# Altium PCB PCB.PcbDoc (part 4 of 4)
Units mil, origin at the board's own origin, x right, y up, seen from the top; angles counter-clockwise.
Board outline 6299.21 x 7637.8 mil, 2 copper layers (Top Layer, Bottom Layer); 456 components, 297 nets, 1240 pads, 557 vias.
Unrouted connection lines stored in the file: 247.
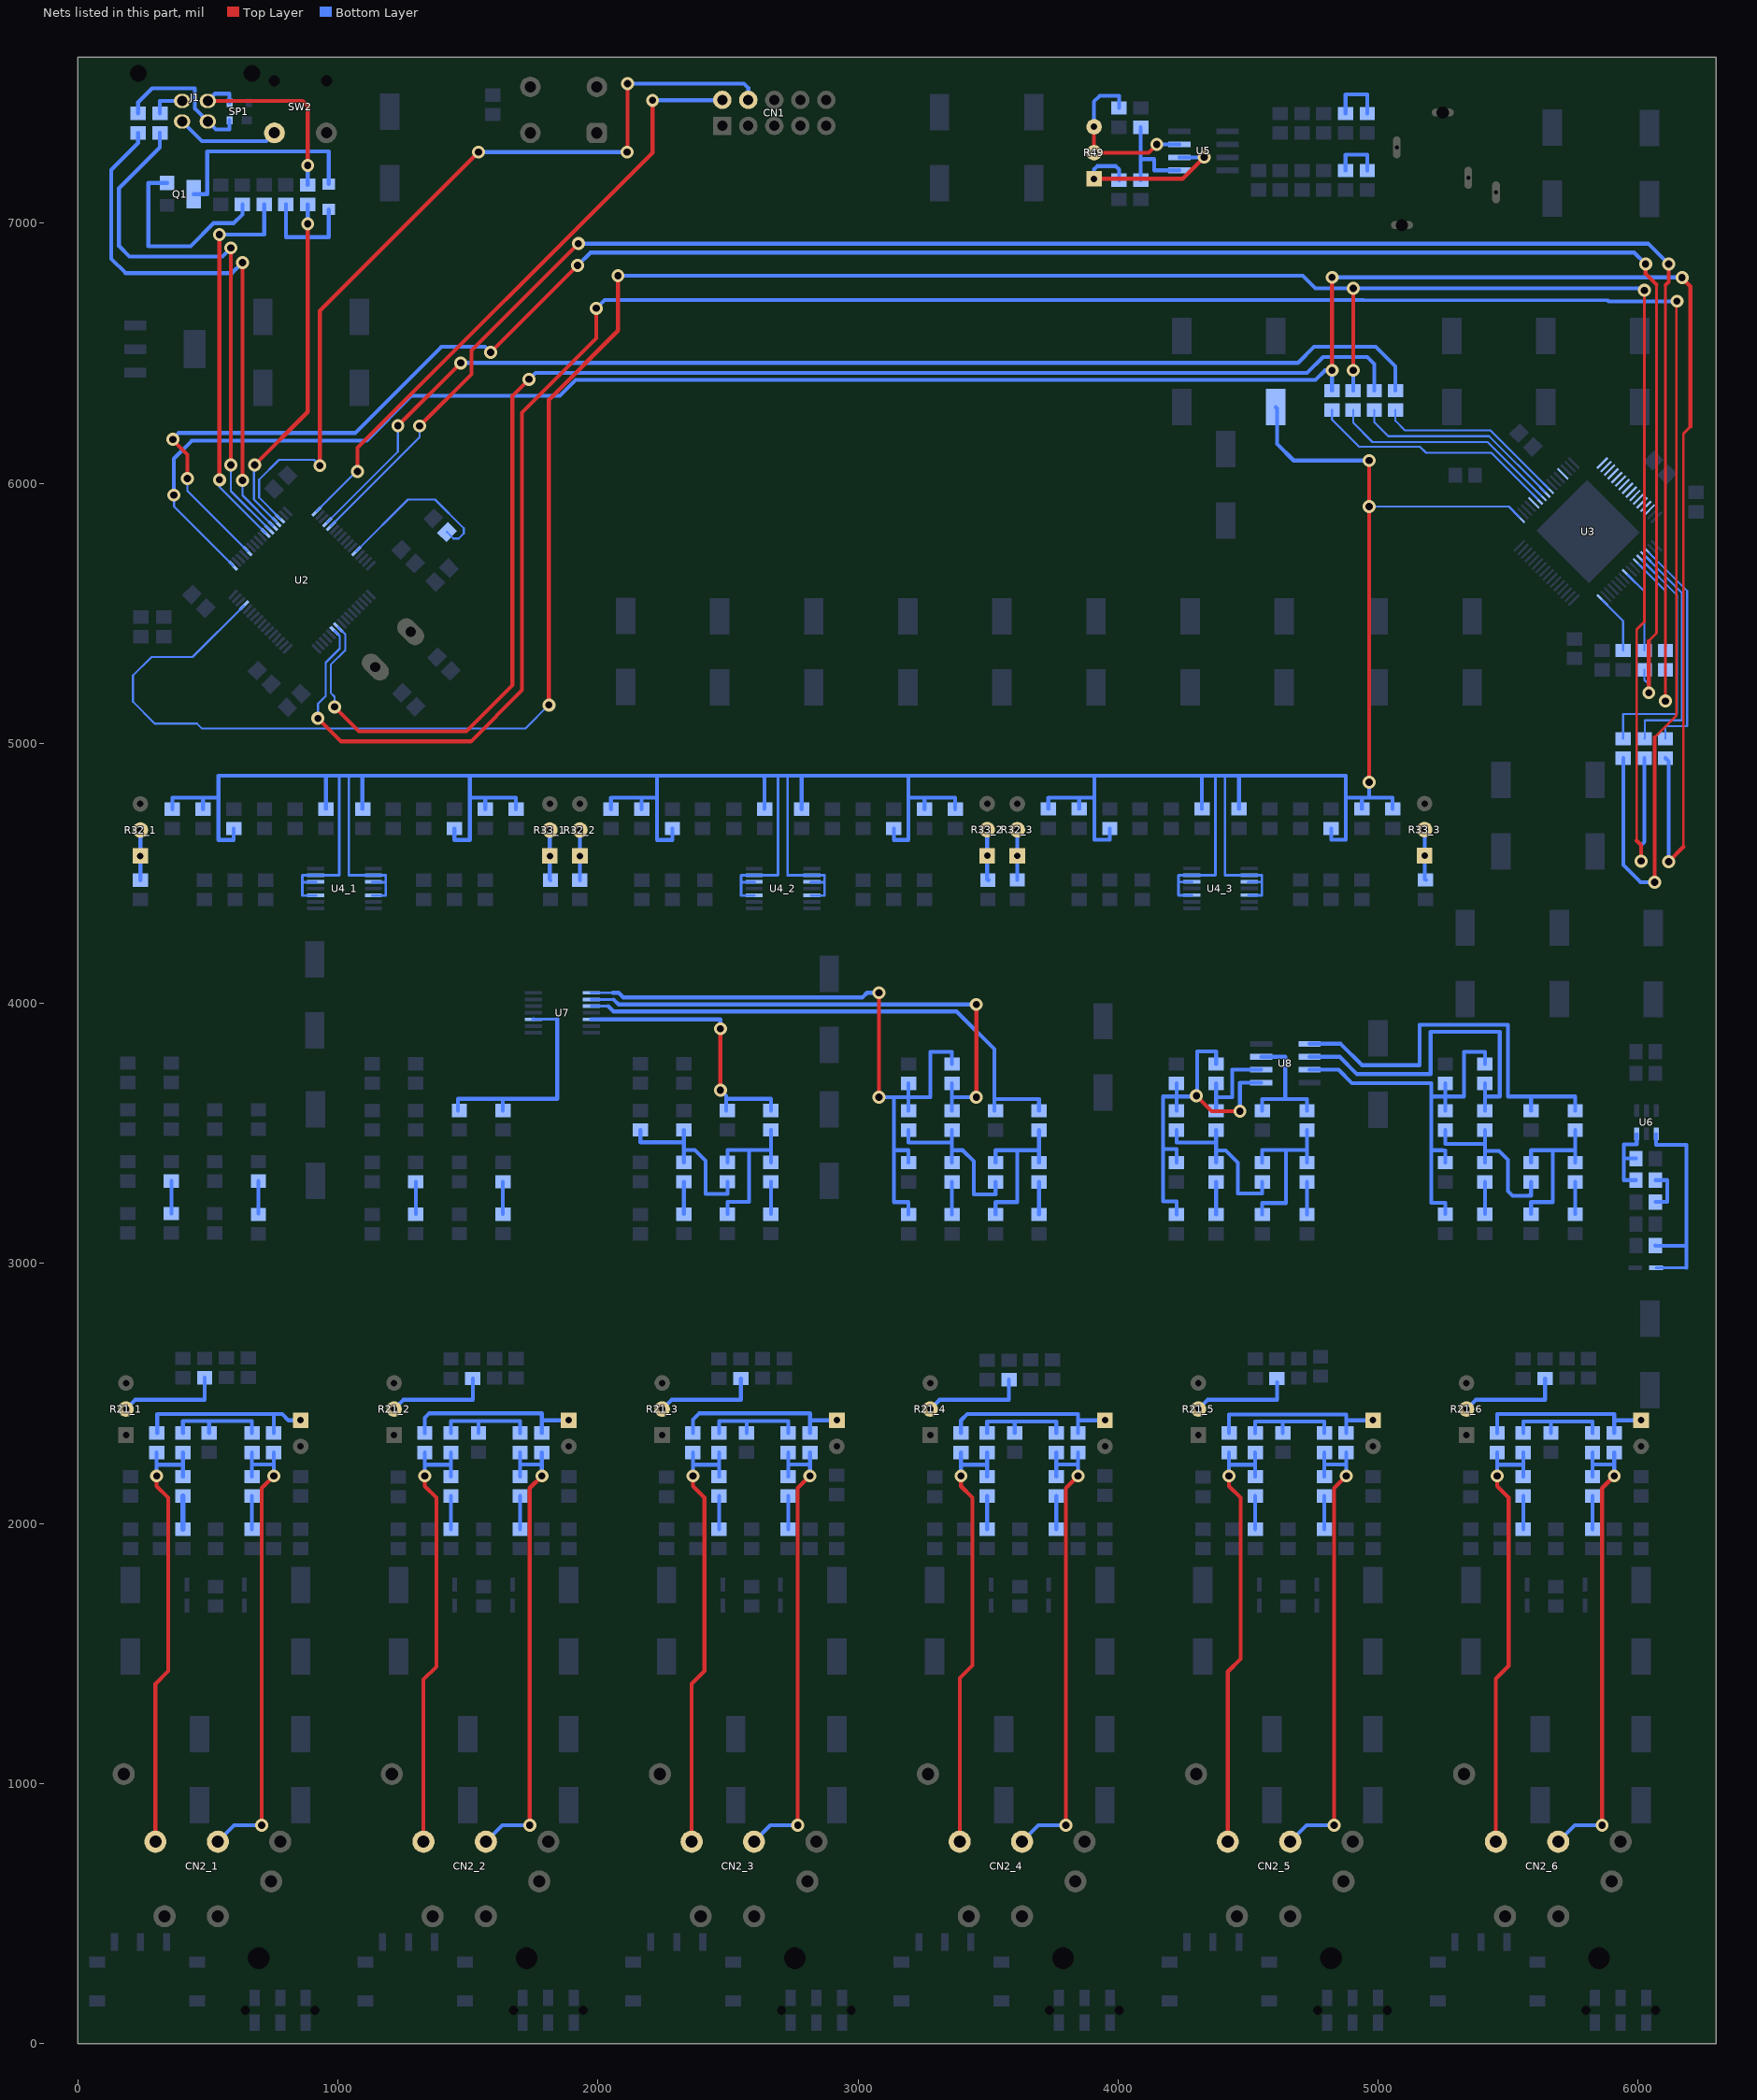
[diagram p4: the nets of this part, all layers, seen from the top]

## Via types
v1: diameter 50, hole 28, Top Layer to Bottom Layer, 553 vias
v2: diameter 55.12, hole 27.56, Top Layer to Bottom Layer, 4 vias

## Nets (pads, with @x,y where several pads share a name; then routed paths per layer and width w, separated by ;. In a path a pad name is that pad's centre, name@x,y a point inside that pad or via, vN(x,y) a via of type N, cw(c..) or ccw(c..) an arc to the next point about the centre after c; other vN are vias at no path point) (continued)
NetC77_1: C77.1 R99.2 U7.3 | length 868.7
  Bottom Layer w10: U7.3@1752.29,3939.07 1843.01,3939.07
  Bottom Layer w15: C77.1@1461.61,3588.09 1461.61,3632.87 1633.86,3632.87 ; R99.2@1633.86,3588.09 1633.86,3632.87 ; U7.3@1751.7,3938.48 U7.3@1752.29,3939.07 ; 1843.01,3939.07 1843.01,3632.87 1633.86,3632.87
NetC78_1: C78.1 R96.1 R104.2 R105.1 | length 698.4
  Bottom Layer w15: R96.1@2162.89,3513.29 2162.89,3466.04 2330.22,3466.04 ; R104.2@2330.22,3388.78 2330.22,3436.02 ; R105.1@2330.22,3513.29 2330.22,3466.04 ; C78.1@2497.54,3313.98 2497.54,3266.73 2413.88,3266.73 2413.88,3394.19 2372.05,3436.02 2330.22,3436.02 ; 2330.22,3436.02 2330.22,3466.04
NetC78_2: C78.2 R108.2 R109.1 R110.2 | length 669.3
  Bottom Layer w15: R110.2@2497.54,3189.47 2497.54,3236.71 2581.2,3236.71 2581.2,3436.02 ; C78.2@2497.54,3388.78 2497.54,3436.02 2581.2,3436.02 ; R108.2@2664.86,3388.78 2664.86,3436.02 ; R109.1@2664.86,3513.29 2664.86,3436.02 ; 2581.2,3436.02 2664.86,3436.02
NetC79_1: C79.1 R109.2 U7.12 | length 1073.4
  Top Layer w15: v1(2470.47,3666.34) v1(2470.47,3902.56)
  Bottom Layer w15: U7.12@1973.7,3938.48 2470.47,3938.48 v1(2470.47,3902.56) ; v1(2470.47,3666.34) 2492.62,3644.19 2492.62,3632.87 ; C79.1@2492.62,3588.09 2492.62,3632.87 ; R109.2@2664.86,3588.09 2664.86,3632.87 2492.62,3632.87
NetC80_1: C80.1 R111.2 R112.2 R113.1 R117.1 U7.8 | length 2741.9
  Top Layer w15: v1(3080.22,4040.85) 3080.22,3640.26 3080.71,3639.76 v1(3080.46,3639.52)
  Bottom Layer w10: U7.8@1973.7,4040.85 2057.09,4040.85
  Bottom Layer w15: 2057.09,4040.85 2078.74,4040.85 2096.46,4023.13 3016.73,4023.13 3034.45,4040.85 v1(3080.22,4040.85) ; v1(3080.46,3639.52) 3137.3,3639.52 ; R112.2@3193.9,3188.48 3193.9,3235.73 3137.3,3235.73 3137.3,3435.04 ; R113.1@3193.9,3387.8 3193.9,3435.04 3137.3,3435.04 ; R111.2@3193.9,3587.11 3193.9,3639.52 ; R117.1@3193.9,3691.93 3193.9,3639.52 ; C80.1@3361.22,3766.73 3361.22,3813.98 3277.56,3813.98 3277.56,3639.27 3277.31,3639.52 3193.9,3639.52 ; 3137.3,3435.04 3137.3,3639.52 ; 3137.3,3639.52 3193.9,3639.52
NetC80_2: C80.2 R116.2 U7.9 | length 2043.8
  Top Layer w15: v1(3454.72,3639.52) v1(3454.72,3996.06)
  Bottom Layer w10: U7.9@1973.7,4015.26 2060.04,4015.26
  Bottom Layer w15: 2060.04,4015.26 2079.23,3996.06 v1(3454.72,3996.06) ; R116.2@3361.22,3587.11 3361.22,3639.52 ; C80.2@3361.22,3691.93 3361.22,3639.52 ; v1(3454.72,3639.52) 3361.22,3639.52
NetC81_1: C81.1 R111.1 R115.2 R116.1 | length 698.4
  Bottom Layer w15: R111.1@3193.9,3512.3 3193.9,3465.06 3361.22,3465.06 ; R115.2@3361.22,3387.8 3361.22,3435.04 ; R116.1@3361.22,3512.3 3361.22,3465.06 ; C81.1@3528.54,3312.99 3528.54,3265.75 3444.88,3265.75 3444.88,3393.21 3403.05,3435.04 3361.22,3435.04 ; 3361.22,3435.04 3361.22,3465.06
NetC81_2: C81.2 R119.2 R120.1 R121.2 | length 669.3
  Bottom Layer w15: R121.2@3528.54,3188.48 3528.54,3235.73 3612.2,3235.73 3612.2,3435.04 ; C81.2@3528.54,3387.8 3528.54,3435.04 3612.2,3435.04 ; R119.2@3695.87,3387.8 3695.87,3435.04 ; R120.1@3695.87,3512.3 3695.87,3435.04 ; 3612.2,3435.04 3695.87,3435.04
NetC82_1: C82.1 R120.2 U7.10 | length 2072.4
  Bottom Layer w10: U7.10@1973.7,3989.67 2038.88,3989.67
  Bottom Layer w15: 2038.88,3989.67 2059.55,3969 3378.44,3969 3523.62,3823.82 3523.62,3631.89 ; C82.1@3523.62,3587.11 3523.62,3631.89 ; R120.2@3695.87,3587.11 3695.87,3631.89 3523.62,3631.89
NetC83_1: C83.1 R122.2 R123.2 R124.1 R128.1 U8.1 | length 1517.3
  Top Layer w15: v1(4301.18,3644.19) 4360.24,3585.14 v1(4468.5,3585.14)
  Bottom Layer w15: R123.2@4224.76,3188.48 4224.76,3238.19 4173.23,3238.19 4173.23,3439.96 ; R124.1@4224.76,3387.8 4224.76,3439.57 4214.41,3439.57 4214.01,3439.96 4173.23,3439.96 ; R122.2@4224.76,3587.11 4224.76,3641.73 ; R128.1@4224.76,3691.93 4224.76,3641.73 ; v1@4301.18,3641.73 4224.76,3641.73 ; v1@4303.64,3644.19 4303.64,3815.45 4376.91,3815.45 C83.1@4376.91,3766.73 ; v1(4468.5,3585.14) 4468.5,3694.68 U8.1@4550.21,3694.68 ; 4173.23,3439.96 4173.23,3641.73 4224.76,3641.73
NetC83_2: C83.2 R127.2 U8.2 | length 383.3
  Bottom Layer w15: R127.2@4376.91,3587.11 4376.91,3639.52 ; C83.2@4376.91,3691.93 4376.91,3639.52 ; U8.2@4550.21,3744.68 4438.98,3744.68 4438.98,3639.52 4376.91,3639.52
NetC84_1: C84.1 R122.1 R126.2 R127.1 | length 682.8
  Bottom Layer w15: R122.1@4224.76,3512.3 4224.76,3464.57 4376.91,3464.57 ; R126.2@4376.91,3387.8 4376.91,3434.05 ; R127.1@4376.91,3512.3 4376.91,3464.57 ; C84.1@4554.07,3312.99 4554.07,3269.19 4460.57,3269.19 4460.57,3387.3 4413.82,3434.05 4376.91,3434.05 ; 4376.91,3434.05 4376.91,3464.57
NetC84_2: C84.2 R130.2 R131.1 R132.2 | length 684.5
  Bottom Layer w15: R132.2@4554.07,3188.48 4554.07,3232.28 4645.12,3232.28 4645.12,3436.52 ; C84.2@4554.07,3387.8 4554.07,3436.52 4645.12,3436.52 ; R130.2@4726.32,3387.8 4726.32,3436.52 ; R131.1@4726.32,3512.3 4726.32,3436.52 ; 4645.12,3436.52 4726.32,3436.52
NetC85_1: C85.1 R131.2 U8.3 | length 517.1
  Bottom Layer w15: U8.3@4550.21,3794.68 4642.66,3794.68 4642.66,3631.89 ; C85.1@4554.07,3587.11 4554.07,3631.89 4642.66,3631.89 ; R131.2@4726.32,3587.11 4726.32,3631.89 4642.66,3631.89
NetC86_1: C86.1 R133.2 R134.2 R135.1 R139.1 U8.7 | length 1679.5
  Bottom Layer w15: U8.7@4736.21,3744.68 4847.83,3744.68 4899.11,3693.41 5204.23,3693.41 5204.23,3641.73 ; R134.2@5258.37,3189.47 5258.37,3233.27 5204.23,3233.27 5204.23,3435.04 ; R135.1@5258.37,3387.8 5258.37,3434.65 5248.01,3434.65 5247.62,3435.04 5204.23,3435.04 ; R133.2@5258.37,3587.11 5258.37,3641.73 ; R139.1@5258.37,3691.93 5258.37,3641.73 ; C86.1@5410.93,3766.73 5410.93,3813.98 5329.72,3813.98 5329.72,3641.73 5258.37,3641.73 ; 5204.23,3435.04 5204.23,3641.73 ; 5204.23,3641.73 5258.37,3641.73
NetC86_2: C86.2 R138.2 U8.6 | length 1331.3
  Bottom Layer w15: U8.6@4736.21,3794.68 4851.97,3794.68 4918.8,3727.85 5201.77,3727.85 5201.77,3890.26 5467.52,3890.26 5467.52,3641.73 5410.93,3641.73 ; R138.2@5410.93,3587.11 5410.93,3641.73 ; C86.2@5410.93,3691.93 5410.93,3641.73
NetC87_1: C87.1 R133.1 R137.2 R138.1 | length 701.3
  Bottom Layer w15: R133.1@5258.37,3512.3 5258.37,3459.65 5410.93,3459.65 ; R137.2@5410.93,3387.8 5410.93,3432.58 ; R138.1@5410.93,3512.3 5410.93,3459.65 ; C87.1@5588.09,3312.99 5588.09,3260.73 5577.74,3260.73 5577.34,3260.33 5516.73,3260.33 5499.51,3277.56 5499.51,3398.13 5465.06,3432.58 5410.93,3432.58 ; 5410.93,3432.58 5410.93,3459.65
NetC87_2: C87.2 R141.2 R142.1 R143.2 | length 670.8
  Bottom Layer w15: R143.2@5588.09,3189.47 5588.09,3235.73 5671.75,3235.73 5671.75,3435.04 ; C87.2@5588.09,3387.8 5588.09,3435.04 5671.75,3435.04 ; R141.2@5757.87,3387.8 5757.87,3435.04 ; R142.1@5757.87,3512.3 5757.87,3435.04 ; 5671.75,3435.04 5757.87,3435.04
NetC88_1: C88.1 R142.2 U8.5 | length 1595.7
  Bottom Layer w15: U8.5@4736.21,3844.68 4856.1,3844.68 4938.48,3762.3 5159.94,3762.3 5159.94,3917.32 5499.51,3917.32 5499.51,3641.73 5588.09,3641.73 ; C88.1@5588.09,3587.11 5588.09,3641.73 ; R142.2@5757.87,3587.11 5757.87,3641.73 5588.09,3641.73
NetC89_1_1: C89_1.1 C90_1.1 CN2_1.2 R145_1.2 | length 1728.8
  Top Layer w15: CN2_1.2@297.8,776.28 297.8,1382.93 346.95,1432.09 346.95,2098.92 302.66,2143.21 v1(302.66,2182.58)
  Bottom Layer w15: v1(302.66,2182.58) 302.66,2226.07 ; R145_1.2@302.66,2272.83 302.66,2226.07 ; v1@305.12,2182.58 v1@305.11,2182.72 ; C89_1.1@403.54,2180.31 403.54,2226.07 ; C90_1.1@403.54,2272.83 403.54,2226.07 ; 302.66,2226.07 403.54,2226.07
NetC89_1_2: C89_1.2 R144_1.2 | length 127.5
  Bottom Layer w20: R144_1.2@403.54,1978.04 C89_1.2@403.54,2105.5
NetC89_2_1: C89_2.1 C90_2.1 CN2_2.2 R145_2.2 | length 1728.4
  Top Layer w15: CN2_2.2@1328.8,776.28 1328.8,1400.16 1377.95,1449.31 1377.95,2098.92 1333.66,2143.21 v1(1333.66,2182.58)
  Bottom Layer w15: v1(1333.66,2182.58) 1333.66,2226.07 ; R145_2.2@1333.66,2272.83 1333.66,2226.07 ; C89_2.1@1434.25,2180.31 1434.25,2226.07 ; C90_2.1@1434.25,2272.83 1434.25,2226.07 ; 1333.66,2226.07 1434.25,2226.07
NetC89_2_2: C89_2.2 R144_2.2 | length 127.5
  Bottom Layer w15: R144_2.2@1434.25,1978.04 C89_2.2@1434.25,2105.5
NetC89_3_1: C89_3.1 C90_3.1 CN2_3.2 R145_3.2 | length 1728.4
  Top Layer w15: CN2_3.2@2359.8,776.28 2359.8,1382.93 2408.96,1432.09 2408.96,2098.92 2364.67,2143.21 v1(2364.67,2182.58)
  Bottom Layer w15: v1(2364.67,2182.58) 2364.67,2226.07 ; R145_3.2@2364.67,2272.83 2364.67,2226.07 ; C89_3.1@2465.26,2180.31 2465.26,2226.07 ; C90_3.1@2465.26,2272.83 2465.26,2226.07 ; 2364.67,2226.07 2465.26,2226.07
NetC89_3_2: C89_3.2 R144_3.2 | length 127.5
  Bottom Layer w15: R144_3.2@2465.26,1978.04 C89_3.2@2465.26,2105.5
NetC89_4_1: C89_4.1 C90_4.1 CN2_4.2 R145_4.2 | length 1728.4
  Top Layer w15: CN2_4.2@3390.81,776.28 3390.81,1405.08 3439.96,1454.23 3439.96,2098.92 3395.67,2143.21 v1(3395.67,2182.58)
  Bottom Layer w15: v1(3395.67,2182.58) 3395.67,2226.07 ; R145_4.2@3395.67,2272.83 3395.67,2226.07 ; C89_4.1@3496.26,2180.31 3496.26,2226.07 ; C90_4.1@3496.26,2272.83 3496.26,2226.07 ; 3395.67,2226.07 3496.26,2226.07
NetC89_4_2: C89_4.2 R144_4.2 | length 127.5
  Bottom Layer w15: R144_4.2@3496.26,1978.04 C89_4.2@3496.26,2105.5
NetC89_5_1: C89_5.1 C90_5.1 CN2_5.2 R145_5.2 | length 1728.4
  Top Layer w15: CN2_5.2@4421.81,776.28 4421.81,1429.68 4470.96,1478.84 4470.96,2098.92 4426.67,2143.21 v1(4426.67,2182.58)
  Bottom Layer w15: v1(4426.67,2182.58) 4426.67,2226.07 ; R145_5.2@4426.67,2272.83 4426.67,2226.07 ; C89_5.1@4527.26,2180.31 4527.26,2226.07 ; C90_5.1@4527.26,2272.83 4527.26,2226.07 ; 4426.67,2226.07 4527.26,2226.07
NetC89_5_2: C89_5.2 R144_5.2 | length 127.5
  Bottom Layer w15: R144_5.2@4527.26,1978.04 C89_5.2@4527.26,2105.5
NetC89_6_1: C89_6.1 C90_6.1 CN2_6.2 R145_6.2 | length 1731.8
  Top Layer w15: CN2_6.2@5452.81,776.28 5452.81,1402.62 5501.97,1451.77 5501.97,2098.92 5457.68,2143.21 v1(5457.68,2182.58) v1@5460.14,2180.12
  Bottom Layer w15: v1(5457.68,2182.58) 5457.68,2226.07 ; R145_6.2@5457.68,2272.83 5457.68,2226.07 ; C89_6.1@5558.27,2180.31 5558.27,2226.07 ; C90_6.1@5558.27,2272.83 5558.27,2226.07 ; 5457.68,2226.07 5558.27,2226.07
NetC89_6_2: C89_6.2 R144_6.2 | length 127.5
  Bottom Layer w15: R144_6.2@5558.27,1978.04 C89_6.2@5558.27,2105.5
NetC90_1_2: C90_1.2 C91_1.1 C92_1.1 | length 405.1
  Bottom Layer w15: C90_1.2@403.54,2347.63 403.54,2394.19 504.43,2394.19 ; C91_1.1@504.43,2347.93 504.43,2394.19 ; C92_1.1@669.29,2347.63 669.29,2394.19 504.43,2394.19
NetC90_2_2: C90_2.2 C91_2.1 C92_2.1 | length 405.4
  Bottom Layer w15: C90_2.2@1434.25,2347.63 1434.25,2394.19 1540.35,2394.19 ; C91_2.1@1540.35,2347.93 1540.35,2394.19 ; C92_2.1@1700.3,2347.63 1700.3,2394.19 1540.35,2394.19
NetC90_3_2: C90_3.2 C91_3.1 C92_3.1 | length 405.4
  Bottom Layer w15: C90_3.2@2465.26,2347.63 2465.26,2394.19 2571.36,2394.19 ; C91_3.1@2571.36,2347.93 2571.36,2394.19 ; C92_3.1@2731.3,2347.63 2731.3,2394.19 2571.36,2394.19
NetC90_4_2: C90_4.2 C91_4.1 C92_4.1 | length 398
  Bottom Layer w15: C90_4.2@3496.26,2347.63 3496.26,2391.73 3602.36,2391.73 ; C91_4.1@3602.36,2347.93 3602.36,2391.73 ; C92_4.1@3762.3,2347.63 3762.3,2391.73 3602.36,2391.73
NetC90_5_2: C90_5.2 C91_5.1 C92_5.1 | length 397.9
  Bottom Layer w15: C90_5.2@4527.26,2347.63 4527.26,2391.44 4527.56,2391.73 4633.37,2391.73 ; C91_5.1@4633.37,2347.93 4633.37,2391.73 ; C92_5.1@4793.31,2347.63 4793.31,2391.73 4633.37,2391.73
NetC90_6_2: C90_6.2 C91_6.1 C92_6.1 | length 398
  Bottom Layer w15: C90_6.2@5558.27,2347.63 5558.27,2391.73 5664.37,2391.73 ; C91_6.1@5664.37,2347.93 5664.37,2391.73 ; C92_6.1@5824.31,2347.63 5824.31,2391.73 5664.37,2391.73
NetC92_1_2: C92_1.2 C93_1.1 CN2_1.3 R146_1.1 | length 1826.2
  Top Layer w15: v1(706.2,839.07) 706.2,2135.83 v1(752.95,2182.58)
  Bottom Layer w15: CN2_1.3@537.8,776.28 600.59,839.07 v1(706.2,839.07) ; C93_1.1@669.29,2180.31 669.29,2226.57 ; C92_1.2@669.29,2272.83 669.29,2226.57 ; v1@752.95,2180.12 v1(752.95,2182.58) 752.95,2226.57 ; R146_1.1@752.95,2272.83 752.95,2226.57 ; 669.29,2226.57 752.95,2226.57
NetC92_2_2: C92_2.2 C93_2.1 CN2_2.3 R146_2.1 | length 1826.2
  Top Layer w15: v1(1737.2,839.07) 1737.2,2135.83 v1(1783.96,2182.58)
  Bottom Layer w15: CN2_2.3@1568.8,776.28 1631.59,839.07 v1(1737.2,839.07) ; C93_2.1@1700.3,2180.31 1700.3,2226.57 ; C92_2.2@1700.3,2272.83 1700.3,2226.57 ; v1@1783.96,2180.12 v1(1783.96,2182.58) 1783.96,2226.57 ; R146_2.1@1783.96,2272.83 1783.96,2226.57 ; 1700.3,2226.57 1783.96,2226.57
NetC92_3_2: C92_3.2 C93_3.1 CN2_3.3 R146_3.1 | length 1826.2
  Top Layer w15: v1(2768.21,839.07) 2768.21,2135.83 v1(2814.96,2182.58)
  Bottom Layer w15: CN2_3.3@2599.8,776.28 2662.59,839.07 v1(2768.21,839.07) ; C93_3.1@2731.3,2180.31 2731.3,2226.57 ; C92_3.2@2731.3,2272.83 2731.3,2226.57 ; v1@2814.96,2180.12 v1(2814.96,2182.58) 2814.96,2226.57 ; R146_3.1@2814.96,2272.83 2814.96,2226.57 ; 2731.3,2226.57 2814.96,2226.57
NetC92_4_2: C92_4.2 C93_4.1 CN2_4.3 R146_4.1 | length 1826.2
  Top Layer w15: v1(3799.21,839.07) 3799.21,2135.83 v1(3845.96,2182.58)
  Bottom Layer w15: CN2_4.3@3630.81,776.28 3693.6,839.07 v1(3799.21,839.07) ; C93_4.1@3762.3,2180.31 3762.3,2226.57 ; C92_4.2@3762.3,2272.83 3762.3,2226.57 ; v1@3845.96,2180.12 v1(3845.96,2182.58) 3845.96,2226.57 ; R146_4.1@3845.96,2272.83 3845.96,2226.57 ; 3762.3,2226.57 3845.96,2226.57
NetC92_5_2: C92_5.2 C93_5.1 CN2_5.3 R146_5.1 | length 1826.2
  Top Layer w15: v1(4830.22,839.07) 4830.22,2135.83 v1(4876.97,2182.58)
  Bottom Layer w15: CN2_5.3@4661.81,776.28 4724.6,839.07 v1(4830.22,839.07) ; C93_5.1@4793.31,2180.31 4793.31,2226.57 ; C92_5.2@4793.31,2272.83 4793.31,2226.57 ; v1@4876.97,2180.12 v1(4876.97,2182.58) 4876.97,2226.57 ; R146_5.1@4876.97,2272.83 4876.97,2226.57 ; 4793.31,2226.57 4876.97,2226.57
NetC92_6_2: C92_6.2 C93_6.1 CN2_6.3 R146_6.1 | length 1826.2
  Top Layer w15: v1(5861.22,839.07) 5861.22,2135.83 v1(5907.97,2182.58)
  Bottom Layer w15: CN2_6.3@5692.81,776.28 5755.61,839.07 v1(5861.22,839.07) ; C93_6.1@5824.31,2180.31 5824.31,2226.57 ; C92_6.2@5824.31,2272.83 5824.31,2226.57 ; v1@5907.97,2180.12 v1(5907.97,2182.58) 5907.97,2226.57 ; R146_6.1@5907.97,2272.83 5907.97,2226.57 ; 5824.31,2226.57 5907.97,2226.57
NetC93_1_2: C93_1.2 R147_1.2 | length 127.5
  Bottom Layer w15: R147_1.2@669.29,1978.04 C93_1.2@669.29,2105.5
NetC93_2_2: C93_2.2 R147_2.2 | length 127.5
  Bottom Layer w15: R147_2.2@1700.3,1978.04 C93_2.2@1700.3,2105.5
NetC93_3_2: C93_3.2 R147_3.2 | length 127.5
  Bottom Layer w15: R147_3.2@2731.3,1978.04 C93_3.2@2731.3,2105.5
NetC93_4_2: C93_4.2 R147_4.2 | length 127.5
  Bottom Layer w15: R147_4.2@3762.3,1978.04 C93_4.2@3762.3,2105.5
NetC93_5_2: C93_5.2 R147_5.2 | length 127.5
  Bottom Layer w15: R147_5.2@4793.31,1978.04 C93_5.2@4793.31,2105.5
NetC93_6_2: C93_6.2 R147_6.2 | length 127.5
  Bottom Layer w15: R147_6.2@5824.31,1978.04 C93_6.2@5824.31,2105.5
NetCN1_2: CN1.2 U2.49 | length 2390.2
  Top Layer w15: v1(1075.3,6045.77) 1075.3,6136.81 2209.65,7271.16 v1(2209.65,7472.93)
  Bottom Layer w8: U2.49@916.98,5891.93 1073.28,6048.23 1075.3,6046.21 v1(1075.3,6045.77)
  Bottom Layer w15: v1(2209.65,7472.93) 2476.28,7472.93 CN1.2@2477.85,7474.51
NetCN1_4: CN1.4 U2.46 | length 3268.6
  Top Layer w15: v1(930.12,6067.91) 930.12,6663.39 v1(1540.35,7273.62) ; v1(2111.22,7273.62) 2113.68,7276.08 v1(2113.68,7536.91)
  Bottom Layer w8: U2.46@777.79,5864.09 696.36,5945.52 696.36,6013.78 772.64,6090.06 907.97,6090.06 v1(930.12,6067.91)
  Bottom Layer w15: v1(1540.35,7273.62) v1(2111.22,7273.62) ; v1(2113.68,7536.91) 2561.52,7536.91 2577.85,7520.57 CN1.4@2577.85,7474.51
NetD1_1: D1.1 Q1.3 | length 810
  Bottom Layer w15: Q1.3@444.89,7112.02 497.05,7112.02 497.05,7276.88 964.57,7276.88 D1.1@964.57,7151.39
NetD1_2: D1.2 R2.1 | length 398.1
  Bottom Layer w15: R2.1@799.6,7072.84 799.6,6946.36 964.57,6946.36 D1.2@964.57,7052.96
NetD2_2: D2.2 L1.2 U6.1 | length 869.3
  Bottom Layer w10: D2.2@6069.27,2982.86 6186.02,2982.86
  Bottom Layer w15: L1.2@6065.95,3068.41 6066.61,3067.74 6185.35,3067.74 6186.02,3068.41 ; U6.1@6068.9,3497.6 6068.9,3455.71 6186.02,3455.71 6186.02,3068.41 ; 6186.02,2982.86 6186.02,3068.41
NetJ1_1: J1.1 SW2.1 | length 399
  Bottom Layer w15: J1.1@400.59,7391.64 475.98,7316.25 724.11,7316.25 SW2.1@755.41,7347.55
NetJ1_2: J1.2 R5.1 SP1.2 | length 563.8
  Bottom Layer w15: R5.1@231.3,7422.55 231.3,7465.55 285.13,7519.38 449.59,7519.38 449.59,7441.07 J1.2@499.02,7391.64 530.12,7360.54 582.68,7360.54 SP1.2@582.68,7395.97
NetJ1_3: J1.3 R6.1 SP1.3 | length 827
  Top Layer w15: J1.3@499.02,7470.38 863.77,7470.38 883.37,7450.78 v1(883.37,7222.75)
  Bottom Layer w15: J1.3@499.02,7470.38 526.97,7498.33 582.68,7498.33 SP1.3@582.68,7462.9 ; R6.1@883.37,7146.96 v1(883.37,7222.75)
NetJ1_4: J1.4 R7.1 | length 133.5
  Bottom Layer w15: R7.1@314.96,7422.55 314.96,7470.38 J1.4@400.59,7470.38
NetQ1_1: Q1.1 R3.1 | length 765.5
  Bottom Layer w15: Q1.1@342.52,7155.33 270.67,7155.33 270.67,6911.91 433.07,6911.91 521.65,7000.49 598.57,7000.49 632.38,7034.3 R3.1@632.38,7072.15
NetR1_2: R1.2 U2.60 | length 644.7
  Bottom Layer w8: U2.60@1070.09,5738.82 1268.78,5937.5 1373.03,5937.5 1483.76,5826.77 1483.76,5807.09 1464.07,5787.4 1444.39,5787.4 R1.2@1419.16,5812.63
NetR4_2: R4.2 U2.42 | length 1510.5
  Top Layer w15: v1(543.8,6957) 544.07,6956.73 v1(544.07,6013.78)
  Bottom Layer w8: v1(544.07,6013.78) 544.07,5986.45 U2.42@722.11,5808.41
  Bottom Layer w15: v1(543.8,6957) 716.04,6957 R4.2@716.05,7072.84
NetR5_2: R5.2 U2.44 | length 2132.1
  Top Layer w15: v1(632.38,6011.32) v1(632.38,6848.73)
  Bottom Layer w8: v1(632.38,6011.32) 632.38,5953.82 U2.44@749.95,5836.25
  Bottom Layer w15: R5.2@231.3,7347.74 231.3,7308.87 127.95,7205.52 127.95,6863.49 182.88,6808.56 592.22,6808.56 v1(632.38,6848.73)
NetR6_2: R6.2 U2.45 | length 1375.3
  Top Layer w15: v1(679.13,6070.37) 883.37,6274.61 v1(883.37,6998.03)
  Bottom Layer w8: v1(679.13,6070.37) 701.46,6070.37 676.67,6045.59 676.67,5937.36 U2.45@763.87,5850.17
  Bottom Layer w15: v1(883.37,6998.03) R6.2@883.37,7072.15
NetR7_2: R7.2 U2.43 | length 2105.4
  Top Layer w15: v1(588.09,6070.37) v1(588.09,6905.32)
  Bottom Layer w8: v1(588.09,6070.37) 588.09,5970.27 U2.43@736.03,5822.33
  Bottom Layer w15: R7.2@314.96,7347.74 314.96,7291.64 157.48,7134.16 157.48,6912.7 197.65,6872.54 555.31,6872.54 v1(588.09,6905.32)
NetR11_2: R11.2 U3.48 | length 226.7
  Bottom Layer w8: U3.48@5862.07,5550.7 5942.42,5470.34 R11.2@5942.42,5357.28
NetR12_1: R12.1 U3.35 | length 857.8
  Bottom Layer w8: U3.35@6043.02,5731.65 6188.48,5586.18 6188.48,5066.44 6104.82,5066.44 R12.1@6104.82,5017.72
NetR12_2: R12.2 R13.1 U2.33 | length 9577.5
  Top Layer w10: 6173.72,4601.38 6173.72,6190.94 6200.79,6218.01
  Top Layer w15: v1(4822.83,6434.55) v1(4822.83,6792.01) ; v1(6117.13,4544.78) 6173.72,4601.38 ; v1@6168.8,6788.88 6200.79,6756.89 6200.79,6218.01
  Bottom Layer w8: v1(369.09,5954.72) 369.09,5910.88 U2.33@596.83,5683.14
  Bottom Layer w15: v1(369.09,5954.72) 369.09,6094.98 437.99,6163.88 1109.74,6163.88 1281.99,6336.12 1852.85,6336.12 1914.37,6397.64 4758.86,6397.64 4795.77,6434.55 v1(4822.83,6434.55) R13.1@4822.83,6356.3 ; v1(4822.83,6792.01) v1@6168.8,6792.01 ; R12.2@6104.82,4942.91 6117.13,4930.61 v1(6117.13,4544.78)
  other v1: 6168.8,6791.34
NetR13_2: R13.2 U3.6 | length 953.3
  Bottom Layer w8: R13.2@4822.83,6281.5 4822.83,6245.08 4926.96,6140.96 5160.72,6140.96 5184.55,6117.13 5434.83,6117.13 U3.6@5612.91,5939.05
NetR14_1: R14.1 U3.36 | length 901.6
  Bottom Layer w8: R14.1@6023.62,5017.72 6026.08,5020.18 6026.08,5088.58 6168.8,5088.58 6168.8,5578.03 U3.36@6029.1,5717.73
NetR14_2: R14.2 R15.1 U2.29 | length 11055.9
  Top Layer w10: 5994.09,4625.98 5994.09,5437.99 6023.62,5467.52 v1(6023.62,6742.13)
  Top Layer w15: v1(1811.02,5147.64) 1811.02,6321.36 2076.77,6587.11 v1(2076.77,6798.72) ; v1(4904.04,6434.55) v1(4904.04,6749.51) ; 5994.09,4625.98 6011.32,4608.76 v1(6011.32,4547.24)
  Bottom Layer w8: U2.29@638.59,5530.02 440.75,5332.19 282.97,5332.19 211.61,5260.83 211.61,5159.94 295.28,5076.28 457.68,5076.28 477.36,5056.59 1719.98,5056.59 v1(1811.02,5147.64)
  Bottom Layer w15: v1(2076.77,6798.72) 4709.65,6798.72 4758.86,6749.51 v1(4904.04,6749.51) v1@6023.62,6749.51 ; R15.1@4904.04,6356.3 v1(4904.04,6434.55) ; v1(6011.32,4547.24) 6011.32,4608.76 6023.62,4621.06 R14.2@6023.62,4942.91
NetR15_2: R15.2 U3.7 | length 887.4
  Bottom Layer w8: R15.2@4904.04,6281.5 4904.04,6232.78 4977.85,6158.96 5420.84,6158.96 U3.7@5626.83,5952.97
NetR16_1: R16.1 U3.41 | length 317.4
  Bottom Layer w8: U3.41@5959.5,5648.13 6023.62,5584.01 R16.1@6023.62,5357.28
NetR16_2: R16.2 U2.37 | length 8323.4
  Top Layer w10: 6040.29,5393.14 6070.37,5423.23 6070.37,6764.27
  Top Layer w15: v1(365.14,6168.8) 365.14,6165.37 420.77,6109.74 v1(420.77,6018.7) ; v1(1587.11,6503.44) v1(1921.75,6838.09) ; v1(6028.54,6843.01) 6028.54,6806.1 6070.37,6764.27 ; v1@6040.29,5203.67 v1@6040.85,5204.23 ; 6040.29,5393.14 6040.85,5392.58 v1@6040.85,5204.23 ; v1(6040.85,5194.39) v1@6040.85,5204.23
  Bottom Layer w8: v1(420.77,6018.7) 420.77,5970.56 U2.37@652.51,5738.82 ; R16.2@6023.62,5282.48 6023.62,5243.6 6040.85,5226.38 v1(6040.85,5194.39)
  Bottom Layer w15: v1(365.14,6168.8) 365.14,6172.23 386.32,6193.41 1065.45,6193.41 1397.64,6525.59 1564.96,6525.59 v1(1587.11,6503.44) ; v1(1921.75,6838.09) 1970.96,6887.3 5984.25,6887.3 v1(6028.54,6843.01)
NetR17_1: R17.1 U2.10 | length 5746.5
  Top Layer w15: v1(986.71,5140.26) 1080.22,5046.75 1493.6,5046.75 1670.77,5223.92 1670.77,6336.12 v1(1734.74,6400.1)
  Bottom Layer w8: v1(986.71,5140.26) 986.71,5179.63 971.95,5194.39 971.95,5302.66 1028.54,5359.25 1028.54,5418.46 U2.10@1000.5,5446.51
  Bottom Layer w15: v1(1734.74,6400.1) 1759.35,6424.7 4726.87,6424.7 4788.39,6486.22 4958.17,6486.22 4985.24,6459.15 R17.1@4985.24,6356.3
NetR17_2: R17.2 U3.8 | length 812.9
  Bottom Layer w8: R17.2@4985.24,6281.5 4985.24,6235.24 5039.37,6181.1 5426.53,6181.1 U3.8@5640.75,5966.89
NetR18_1: R18.1 U3.37 | length 948.3
  Bottom Layer w8: R18.1@5942.42,5017.72 5942.42,5113.19 6149.11,5113.19 6149.11,5569.88 U3.37@6015.18,5703.81
NetR18_2: R18.2 U2.11 | length 9868.4
  Top Layer w10: 6062.99,5022.64 6147.32,5106.97 v1@6147.32,6700.3
  Top Layer w15: v1(922.74,5095.96) 1011.32,5007.38 1510.83,5007.38 1707.68,5204.23 1707.68,6272.15 1993.11,6557.58 v1(1993.11,6673.23) ; v1(6062.99,4466.04) 6062.99,5022.64
  Bottom Layer w8: v1(922.74,5095.96) 922.74,5152.56 952.26,5182.09 952.26,5310.04 1006.4,5364.17 1006.4,5412.77 U2.11@986.58,5432.59
  Bottom Layer w15: v1(1993.11,6673.23) 2025.1,6705.22 4160.93,6705.22 4943.41,6705.22 5883.37,6702.76 5886.5,6699.63 6148.44,6699.63 v1(6149.11,6700.3) ; R18.2@5942.42,4942.91 5942.42,4532.48 6008.86,4466.04 v1(6062.99,4466.04)
NetR19_1: R19.1 U2.52 | length 4570.7
  Top Layer w15: v1(1230.32,6221.8) v1(1471.46,6462.94)
  Bottom Layer w8: U2.52@958.74,5850.17 1230.32,6121.75 v1(1230.32,6221.8)
  Bottom Layer w15: v1(1471.46,6462.94) 4691.29,6462.94 4753.94,6525.59 4990.16,6525.59 5066.44,6449.31 R19.1@5066.44,6356.3
NetR19_2: R19.2 U3.9 | length 737
  Bottom Layer w8: R19.2@5066.44,6281.5 5066.44,6240.16 5103.35,6203.25 5432.23,6203.25 U3.9@5654.67,5980.81
NetR20_1: R20.1 U3.38 | length 375.5
  Bottom Layer w8: U3.38@6001.26,5689.89 6104.82,5586.33 R20.1@6104.82,5357.28
NetR20_2: R20.2 U2.53 | length 7508.5
  Top Layer w10: v1(6104.82,5162.4) 6104.82,6761.81
  Top Layer w15: v1(1313.98,6220.47) 1513.29,6419.78 1513.29,6510.83 v1(1924.21,6921.75) ; 6104.82,6761.81 6117.13,6774.11 v1@6117.13,6840.55
  Bottom Layer w8: U2.53@972.66,5836.25 1313.98,6177.57 v1(1313.98,6220.47) ; v1(6104.82,5162.4) R20.2@6104.82,5282.48
  Bottom Layer w15: v1(1924.21,6921.75) 6038.39,6921.75 v1(6117.13,6843.01)
NetR21_1_2: R21_1.2 R23_1.1 | length 402
  Bottom Layer w15: R21_1.2@184.55,2440.06 219.88,2475.39 487.2,2475.39 R23_1.1@487.2,2560.14
NetR21_2_2: R21_2.2 R23_2.1 | length 399.6
  Bottom Layer w15: R21_2.2@1215.55,2440.06 1250.89,2475.39 1518.21,2475.39 R23_2.1@1518.21,2557.68
NetR21_3_2: R21_3.2 R23_3.1 | length 399.6
  Bottom Layer w15: R21_3.2@2246.55,2440.06 2281.89,2475.39 2549.21,2475.39 R23_3.1@2549.21,2557.68
NetR21_4_2: R21_4.2 R23_4.1 | length 394.7
  Bottom Layer w15: R21_4.2@3277.56,2440.06 3312.89,2475.39 3580.22,2475.39 R23_4.1@3580.22,2552.76
NetR21_5_2: R21_5.2 R23_5.1 | length 384.8
  Bottom Layer w15: R21_5.2@4308.56,2440.06 4343.9,2475.39 4611.22,2475.39 R23_5.1@4611.22,2542.91
NetR21_6_2: R21_6.2 R23_6.1 | length 399.6
  Bottom Layer w15: R21_6.2@5339.57,2440.06 5374.9,2475.39 5642.22,2475.39 R23_6.1@5642.22,2557.68
NetR32_1_1: R32_1.1 R32_1.2 R34_1.2 | length 193
  Bottom Layer w15: R34_1.2@239.8,4473.92 R32_1.1@239.8,4566.93 R32_1.2@239.8,4666.93
NetR32_2_1: R32_2.1 R32_2.2 R34_2.2 | length 193
  Bottom Layer w15: R34_2.2@1929.98,4473.92 R32_2.1@1929.98,4566.93 R32_2.2@1929.98,4666.93
NetR32_3_1: R32_3.1 R32_3.2 R34_3.2 | length 193
  Bottom Layer w15: R34_3.2@3612.2,4474.41 R32_3.1@3612.2,4567.42 R32_3.2@3612.2,4667.42
NetR33_1_1: R33_1.1 R33_1.2 R35_1.2 | length 194
  Bottom Layer w15: R33_1.2@1814.6,4666.93 R33_1.1@1814.6,4566.93 1814.6,4476.38 R35_1.2@1817.07,4473.92
NetR33_2_1: R33_2.1 R33_2.2 R35_2.2 | length 194.9
  Bottom Layer w15: R35_2.2@3496.56,4476.38 R33_2.1@3496.56,4567.81 R33_2.2@3496.56,4667.81 ; R35_2.2@3499.02,4476.38 R35_2.2@3501.48,4473.92
NetR33_3_1: R33_3.1 R33_3.2 R35_3.2 | length 194.9
  Bottom Layer w15: R35_3.2@5178.78,4476.87 R33_3.1@5178.78,4568.31 R33_3.2@5178.78,4668.31 ; R35_3.2@5181.24,4476.87 R35_3.2@5183.7,4474.41
NetR39_2: R39.2 R40.1 | length 231.5
  Bottom Layer w15: R40.1@4874.51,7421.75 4874.51,7495.65 4958.17,7495.65 R39.2@4958.17,7421.75
NetR42_2: R42.2 R47.2 U5.5 | length 394.4
  Bottom Layer w15: R47.2@4087.11,7165.85 4087.11,7246.55 ; R42.2@4087.11,7369.09 4087.11,7246.55 ; U5.5@4235.25,7203.54 4138.78,7203.54 4138.78,7246.55 4087.11,7246.55
NetR43_2: R43.2 R44.1 | length 205.7
  Bottom Layer w15: R44.1@4874.51,7202.75 4874.51,7263.78 4958.17,7263.78 R43.2@4958.17,7202.75
NetR46_1: R46.1 R49.2 R49.3 U5.7 | length 704.9
  Top Layer w15: R49.3@3907.48,7371.16 R49.2@3907.48,7271.16 4116.63,7271.16 v1@4148.53,7303.06 ; v1@4138.69,7303.06 v1@4148.53,7303.06 ; v1(4148.62,7303.15) v1@4148.53,7303.06 ; v1@4153.51,7303.06 v1@4148.53,7303.06
  Bottom Layer w15: R49.3@3907.48,7371.16 3907.48,7468.01 3929.63,7490.16 4003.44,7490.16 R46.1@4003.44,7443.9 ; v1(4148.62,7303.15) v1@4153.9,7303.15 ; v1@4154,7303.54 4154,7303.15 v1@4153.9,7303.15 ; U5.7@4235.25,7303.54 4234.76,7303.06 4234.67,7303.15 4154.09,7303.15 4154,7303.06 v1@4153.9,7303.15
NetR49_1: R49.1 R50.2 U5.6 | length 736.7
  Top Layer w15: R49.1@3907.48,7171.16 4247.93,7171.16 v1(4330.71,7253.94)
  Bottom Layer w15: R49.1@3907.48,7171.16 3907.48,7207.18 3919.78,7219.49 3991.14,7219.49 4003.44,7207.19 R50.2@4003.44,7165.85 ; U5.6@4235.25,7253.54 4330.31,7253.54 v1(4330.71,7253.94)
NetR75_1: R75.1 R76.2 U6.3 | length 320.3
  Bottom Layer w15: R76.2@5991.61,3319.97 5944.88,3319.97 5944.88,3403.49 ; R75.1@5991.61,3403.49 5944.88,3403.49 ; U6.3@5994.09,3497.6 5994.09,3457.18 5944.88,3457.18 5944.88,3403.49
NetR76_1: R76.1 R77.2 | length 175.2
  Bottom Layer w15: R77.2@6066.42,3236.31 6112.2,3236.31 6112.2,3319.97 R76.1@6066.42,3319.97
NetR81_2: R81.2 R82.1 | length 124.5
  Bottom Layer w15: R81.2@359.25,3191.93 R82.1@359.25,3316.44
NetR85_2: R85.2 R86.1 | length 124.5
  Bottom Layer w15: R85.2@693.9,3191.93 R86.1@693.9,3316.44
NetR92_2: R92.2 R93.1 | length 124.5
  Bottom Layer w15: R92.2@1299.21,3189.47 R93.1@1299.21,3313.98
NetR97_2: R97.2 R98.1 | length 124.5
  Bottom Layer w15: R97.2@1633.86,3189.47 R98.1@1633.86,3313.98
NetR103_2: R103.2 R104.1 | length 124.5
  Bottom Layer w15: R103.2@2330.22,3189.47 R104.1@2330.22,3313.98
NetR107_2: R107.2 R108.1 | length 124.5
  Bottom Layer w15: R107.2@2664.86,3189.47 R108.1@2664.86,3313.98
NetR114_2: R114.2 R115.1 | length 124.5
  Bottom Layer w15: R114.2@3361.22,3188.48 R115.1@3361.22,3312.99
NetR118_2: R118.2 R119.1 | length 124.5
  Bottom Layer w15: R118.2@3695.87,3188.48 R119.1@3695.87,3312.99
NetR125_2: R125.2 R126.1 | length 124.5
  Bottom Layer w15: R125.2@4376.91,3188.48 R126.1@4376.91,3312.99
NetR129_2: R129.2 R130.1 | length 124.5
  Bottom Layer w15: R129.2@4726.32,3188.48 R130.1@4726.32,3312.99
NetR136_2: R136.2 R137.1 | length 123.5
  Bottom Layer w15: R136.2@5410.93,3189.47 R137.1@5410.93,3312.99
NetR140_2: R140.2 R141.1 | length 123.5
  Bottom Layer w15: R140.2@5757.87,3189.47 R141.1@5757.87,3312.99
NetR145_1_1: R145_1.1 R146_1.2 SW5_1.1 | length 708.6
  Bottom Layer w15: R145_1.1@305.12,2347.63 305.12,2421.26 752.95,2421.26 ; R146_1.2@752.95,2347.63 752.95,2421.26 ; SW5_1.1@856.3,2396.65 809.55,2396.65 784.94,2421.26 752.95,2421.26
NetR145_2_1: R145_2.1 R146_2.2 SW5_2.1 | length 695.7
  Bottom Layer w15: R145_2.1@1333.66,2347.63 1333.66,2406.5 1350.49,2423.33 1695.89,2423.33 1696.28,2423.72 1783.96,2423.72 1783.96,2396.65 ; R146_2.2@1783.96,2347.63 1783.96,2396.65 ; SW5_2.1@1887.3,2396.65 1783.96,2396.65
NetR145_3_1: R145_3.1 R146_3.2 SW5_3.1 | length 691.4
  Bottom Layer w15: R145_3.1@2364.67,2347.63 2364.67,2399.11 2388.88,2423.33 2726.89,2423.33 2727.28,2423.72 2814.96,2423.72 2814.96,2396.65 ; R146_3.2@2814.96,2347.63 2814.96,2396.65 ; SW5_3.1@2918.31,2396.65 2814.96,2396.65
NetR145_4_1: R145_4.1 R146_4.2 SW5_4.1 | length 686.5
  Bottom Layer w15: R145_4.1@3395.67,2347.63 3395.67,2396.65 3420.28,2421.26 3845.96,2421.26 3845.96,2396.65 ; R146_4.2@3845.96,2347.63 3845.96,2396.65 ; SW5_4.1@3949.31,2396.65 3845.96,2396.65
NetR145_5_1: R145_5.1 R146_5.2 SW5_5.1 | length 696
  Bottom Layer w15: R145_5.1@4426.67,2347.63 4426.67,2418.8 4876.97,2418.8 4876.97,2396.65 ; R146_5.2@4876.97,2347.63 4876.97,2396.65 ; SW5_5.1@4980.31,2396.65 4876.97,2396.65
NetR145_6_1: R145_6.1 R146_6.2 SW5_6.1 | length 700.9
  Bottom Layer w15: R145_6.1@5457.68,2347.63 5457.68,2421.26 5907.97,2421.26 5907.97,2396.65 ; R146_6.2@5907.97,2347.63 5907.97,2396.65 ; SW5_6.1@6011.32,2396.65 5907.97,2396.65
NetU3_5: U3.5
NetU3_13: U3.13
NetU3_17: U3.17
NetU3_18: U3.18
NetU3_19: U3.19
NetU3_20: U3.20
NetU3_21: U3.21
NetU3_22: U3.22
NetU3_23: U3.23
NetU3_24: U3.24
NetU3_25: U3.25
NetU3_26: U3.26
NetU3_27: U3.27
NetU3_28: U3.28
NetU3_29: U3.29
NetU3_30: U3.30
VCOMAD: C31.1 C51_1.2 C51_2.2 C51_3.2 C52_1.2 C52_2.2 C52_3.2 C59_1.1 C59_2.1 C59_3.1 C60_1.1 C60_2.1 C60_3.1 R24_1.1 R24_2.1 R24_3.1 R25_1.1 R25_2.1 R25_3.1 R28_1.2 R28_2.2 R28_3.2 R29_1.2 R29_2.2 R29_3.2 U3.1 U4_1.3 U4_1.5 U4_1.6 U4_1.9 U4_1.10 U4_1.12 U4_2.3 U4_2.5 U4_2.6 U4_2.9 U4_2.10 U4_2.12 U4_3.3 U4_3.5 U4_3.6 U4_3.9 U4_3.10 U4_3.12 | length 15441.2
  Top Layer w15: v1(4965.55,4849.9) 4965.49,4849.96 4965.55,4850.02 v1(4965.55,5910.43) v1(4965.55,6087.6)
  Bottom Layer w8: v1(4965.55,5910.43) 5502.33,5910.43 U3.1@5543.31,5869.45
  Bottom Layer w10: U4_1.3@914.73,4414.86 863.27,4414.86 863.27,4467.52 ; U4_1.5@915.71,4465.06 914.73,4466.04 864.75,4466.04 863.27,4467.52 ; 1005.06,4492.62 U4_1.6@913.74,4492.62 863.27,4492.62 863.27,4467.52 ; 1005.06,4493.11 1005.06,4875 ; 1041.97,4492.62 1183.75,4492.62 1183.75,4467.52 ; 1041.97,4493.11 1041.97,4875 ; U4_1.10@1131.31,4465.06 1132.3,4466.04 1182.27,4466.04 1183.75,4467.52 ; U4_1.12@1132.3,4414.86 1183.75,4414.86 1183.75,4467.52 ; U4_2.3@2601.6,4414.86 2550.15,4414.86 2550.15,4467.52 ; U4_2.5@2602.58,4465.06 2601.6,4466.04 2551.62,4466.04 2550.15,4467.52 ; 2691.93,4492.62 2550.15,4492.62 2550.15,4467.52 ; 2691.93,4493.11 2691.93,4875 ; 2728.84,4492.62 2870.62,4492.62 2870.62,4467.52 ; 2728.84,4493.11 2728.84,4875 ; U4_2.10@2818.19,4465.06 2819.17,4466.04 2869.15,4466.04 2870.62,4467.52 ; U4_2.12@2819.17,4414.86 2870.62,4414.86 2870.62,4467.52 ; U4_3.3@4283.82,4415.35 4232.37,4415.35 4232.37,4468.01 ; U4_3.5@4284.81,4465.55 4283.82,4466.54 4233.85,4466.54 4232.37,4468.01 ; 4374.15,4493.11 4232.37,4493.11 4232.37,4468.01 ; 4374.15,4493.6 4374.15,4875.49 ; 4411.06,4493.11 4552.85,4493.11 4552.85,4468.01 ; 4411.06,4493.6 4411.06,4875.49 ; U4_3.10@4500.41,4465.55 4501.39,4466.54 4551.37,4466.54 4552.85,4468.01 ; U4_3.12@4501.39,4415.35 4552.85,4415.35 4552.85,4468.01
  Bottom Layer w15: R28_1.2@362.83,4747.05 362.83,4790.85 480.94,4790.85 ; C51_1.2@480.94,4747.05 480.94,4790.85 ; 540,4791.34 540,4875 953.38,4875 ; R24_1.1@599.05,4672.24 599.05,4628.44 540,4628.44 540,4790.85 480.94,4790.85 ; C59_1.1@953.38,4747.54 953.38,4875 ; C60_1.1@1093.64,4747.54 1093.64,4875 ; R25_1.1@1447.97,4672.24 1447.97,4628.44 1507.03,4628.44 1507.03,4790.85 1566.08,4790.85 ; 1507.03,4791.34 1507.03,4875 ; C52_1.2@1566.08,4747.05 1566.08,4790.85 ; R29_1.2@1684.19,4747.05 1684.19,4790.85 1566.08,4790.85 ; R28_2.2@2049.7,4747.05 2049.7,4790.85 2167.81,4790.85 ; C51_2.2@2167.82,4747.05 2167.81,4790.85 ; 2226.87,4791.34 2226.87,4875 ; R24_2.1@2285.93,4672.24 2285.93,4628.44 2226.87,4628.44 2226.87,4790.85 2167.81,4790.85 ; C59_2.1@2640.26,4747.54 2640.26,4875 ; C60_2.1@2782.97,4747.05 2782.97,4872.54 2780.51,4875 ; R25_2.1@3137.3,4672.24 3137.3,4628.45 3193.9,4628.45 3193.9,4790.85 3252.95,4790.85 ; 3193.9,4791.34 3193.9,4875 ; C52_2.2@3255.41,4747.05 3255.41,4788.39 3252.95,4790.85 ; R29_2.2@3373.52,4747.05 3373.52,4790.85 3252.95,4790.85 ; R28_3.2@3731.93,4747.54 3731.93,4791.34 3850.04,4791.34 ; C51_3.2@3850.04,4747.54 3850.04,4791.34 ; 3909.09,4791.83 3909.09,4875.49 ; R24_3.1@3968.15,4672.74 3968.15,4628.94 3909.09,4628.94 3909.09,4791.34 3850.04,4791.34 ; C59_3.1@4322.48,4748.03 4322.48,4875.49 ; C60_3.1@4465.2,4747.54 4465.2,4873.03 4462.74,4875.49 ; C31.1@4606.3,6292.63 4611.48,6287.45 4611.48,6151.32 4675.2,6087.6 v1(4965.55,6087.6) ; R25_3.1@4819.53,4672.74 4819.53,4628.94 4876.12,4628.94 4876.12,4791.34 4935.18,4791.34 ; 4876.12,4791.83 4876.12,4875.49 4462.74,4875.49 ; C52_3.2@4937.64,4747.54 4937.64,4788.88 4935.18,4791.34 ; v1(4965.55,4849.9) 4965.55,4791.34 ; R29_3.2@5055.75,4747.54 5055.75,4791.34 4965.55,4791.34 ; 953.38,4875 1005.06,4875 1041.97,4875 1093.64,4875 ; 1093.64,4875 1507.03,4875 ; 1507.03,4875 2226.87,4875 ; 2226.87,4875 2640.26,4875 ; 2640.26,4875 2691.93,4875 2728.84,4875 2780.51,4875 ; 2780.51,4875 3193.9,4875 ; 3193.9,4875 3908.6,4875 3909.09,4875.49 ; 3909.09,4875.49 4322.48,4875.49 ; 4322.48,4875.49 4374.15,4875.49 4411.06,4875.49 4462.74,4875.49 ; 4935.18,4791.34 4965.55,4791.34
pads on no net: CN1.3 CN2_1.Mount CN2_2.Mount CN2_3.Mount CN2_4.Mount CN2_5.Mount CN2_6.Mount CN3.3 CN3.4 SW2.3 SW2.4 SW3_1.7 SW3_1.8 SW3_2.7 SW3_2.8 SW3_3.7 SW3_3.8 SW3_4.7 SW3_4.8 SW3_5.7 SW3_5.8 SW3_6.7 SW3_6.8 SW4_1.1 SW4_1.4 SW4_1.5 SW4_1.6 SW4_1.7 SW4_2.1 SW4_2.4 SW4_2.5 SW4_2.6 SW4_2.7 SW4_3.1 SW4_3.4 SW4_3.5 SW4_3.6 SW4_3.7 SW4_4.1 SW4_4.4 SW4_4.5 SW4_4.6 SW4_4.7 SW4_5.1 SW4_5.4 SW4_5.5 SW4_5.6 SW4_5.7 SW4_6.1 SW4_6.4 SW4_6.5 SW4_6.6 SW4_6.7 U1.2 U2.2 U2.3 U2.4 U2.8 U2.9 U2.14 U2.15 U2.16 U2.17 U2.20 U2.21 U2.28 U2.34 U2.35 U2.36 U2.38 U2.39 U2.40 U2.41 U2.50 U2.51 U2.61 U2.62 U3.10

## Polygon pours and split planes (outlines as drawn)
AGND on Top Layer "Top Layer-AGND" (solid, pour order 0): 6279.53,7618.11 19.68,7618.11 19.68,4790.85 19.68,19.68 6279.53,19.68
DGND on Bottom Layer "Bottom Layer-DGND" (solid, pour order 1): 6281.99,22.15 22.15,22.15 24.61,24.61 24.61,7620.57 6281.99,7620.57

## Other copper
Top Layer:
  region net NetC17_5_1: 4372.54,2620.57
Bottom Layer:
  region net 5V: 5917.82,3658.96
  region net NetC50_1_1: 6028.52,3760.42

## Silkscreen, mask and mechanical layers (free items; w line width, h text height)
Mechanical 1:
  lines w5: 0,0 6299.21,0 6299.21,7637.8 0,7637.8 0,3937.01 0,0 ; 19.68,19.68 6279.53,19.68 6279.53,7618.11 19.68,7618.11 19.68,3917.32 19.68,19.68